# Altium PCB WL_RFFC.PcbDoc (part 1 of 3)
Units mm, origin at the board's own origin, x right, y up, seen from the top; angles counter-clockwise.
Board outline 175.23 x 130 mm, 2 copper layers (Top Layer, Bottom Layer), stack 1.57 mm thick; 373 components, 223 nets, 1150 pads, 1060 vias.
Unrouted connection lines stored in the file: 1.
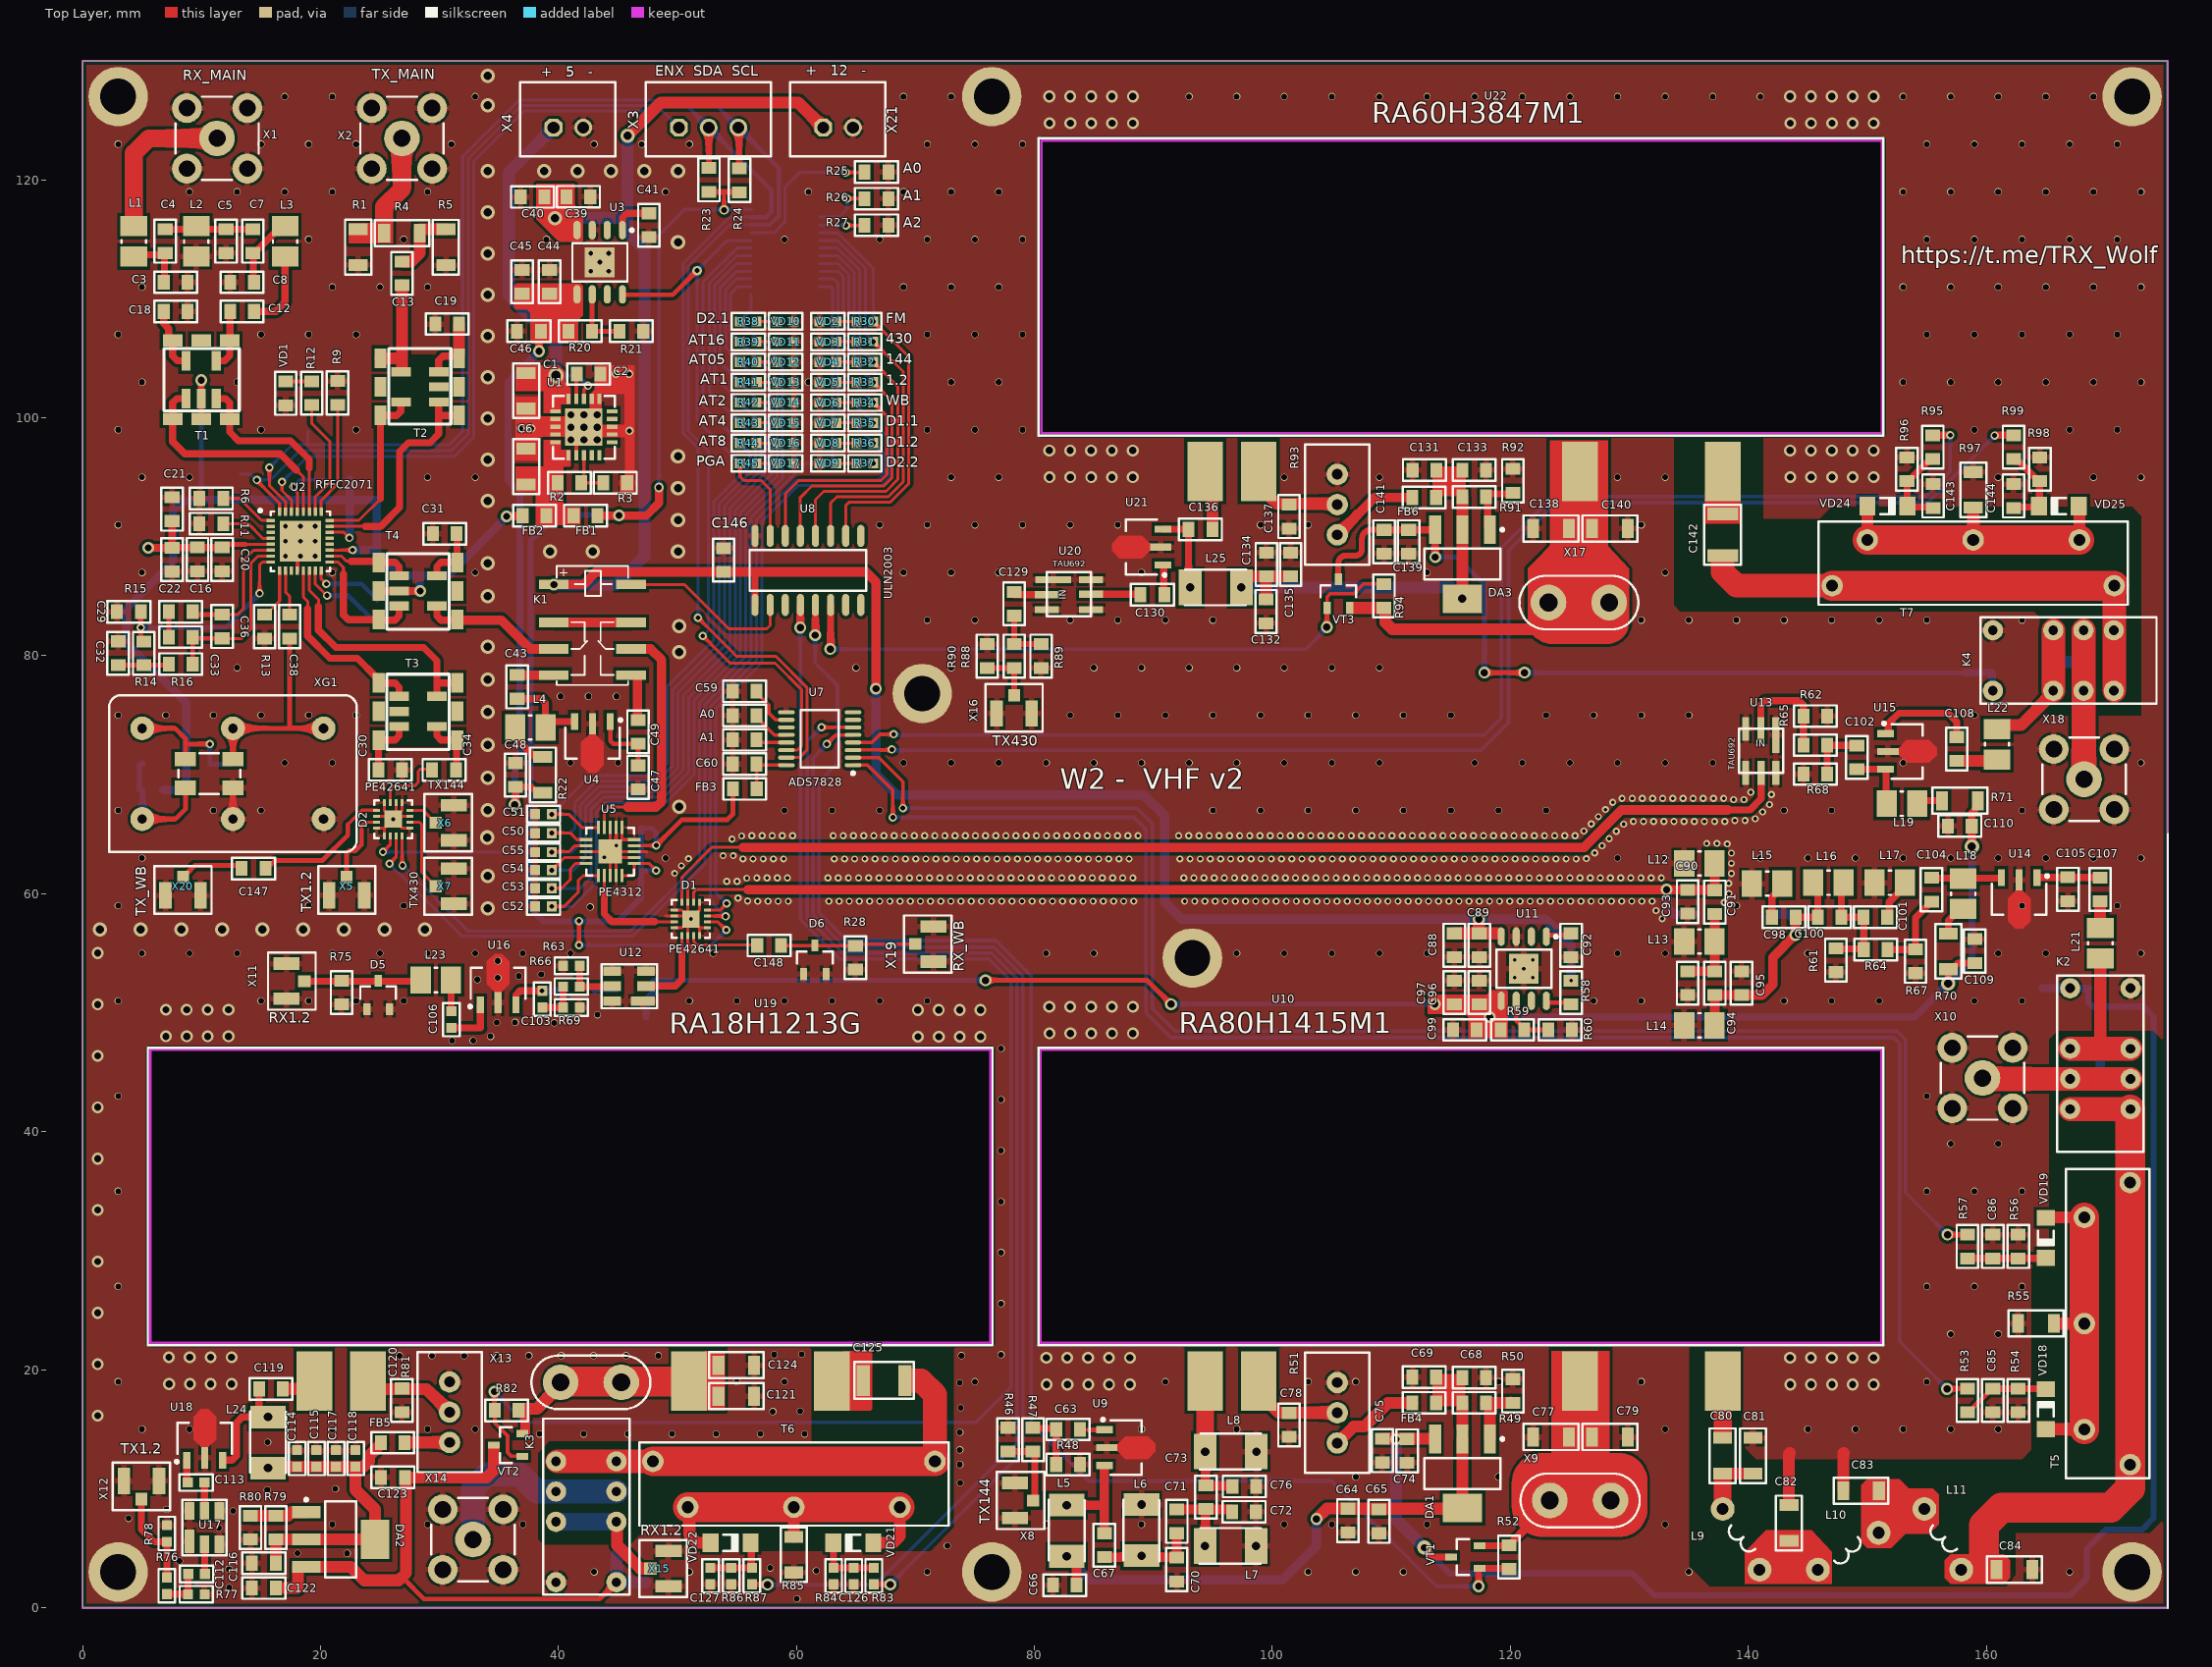
[diagram p0: Top Layer view]
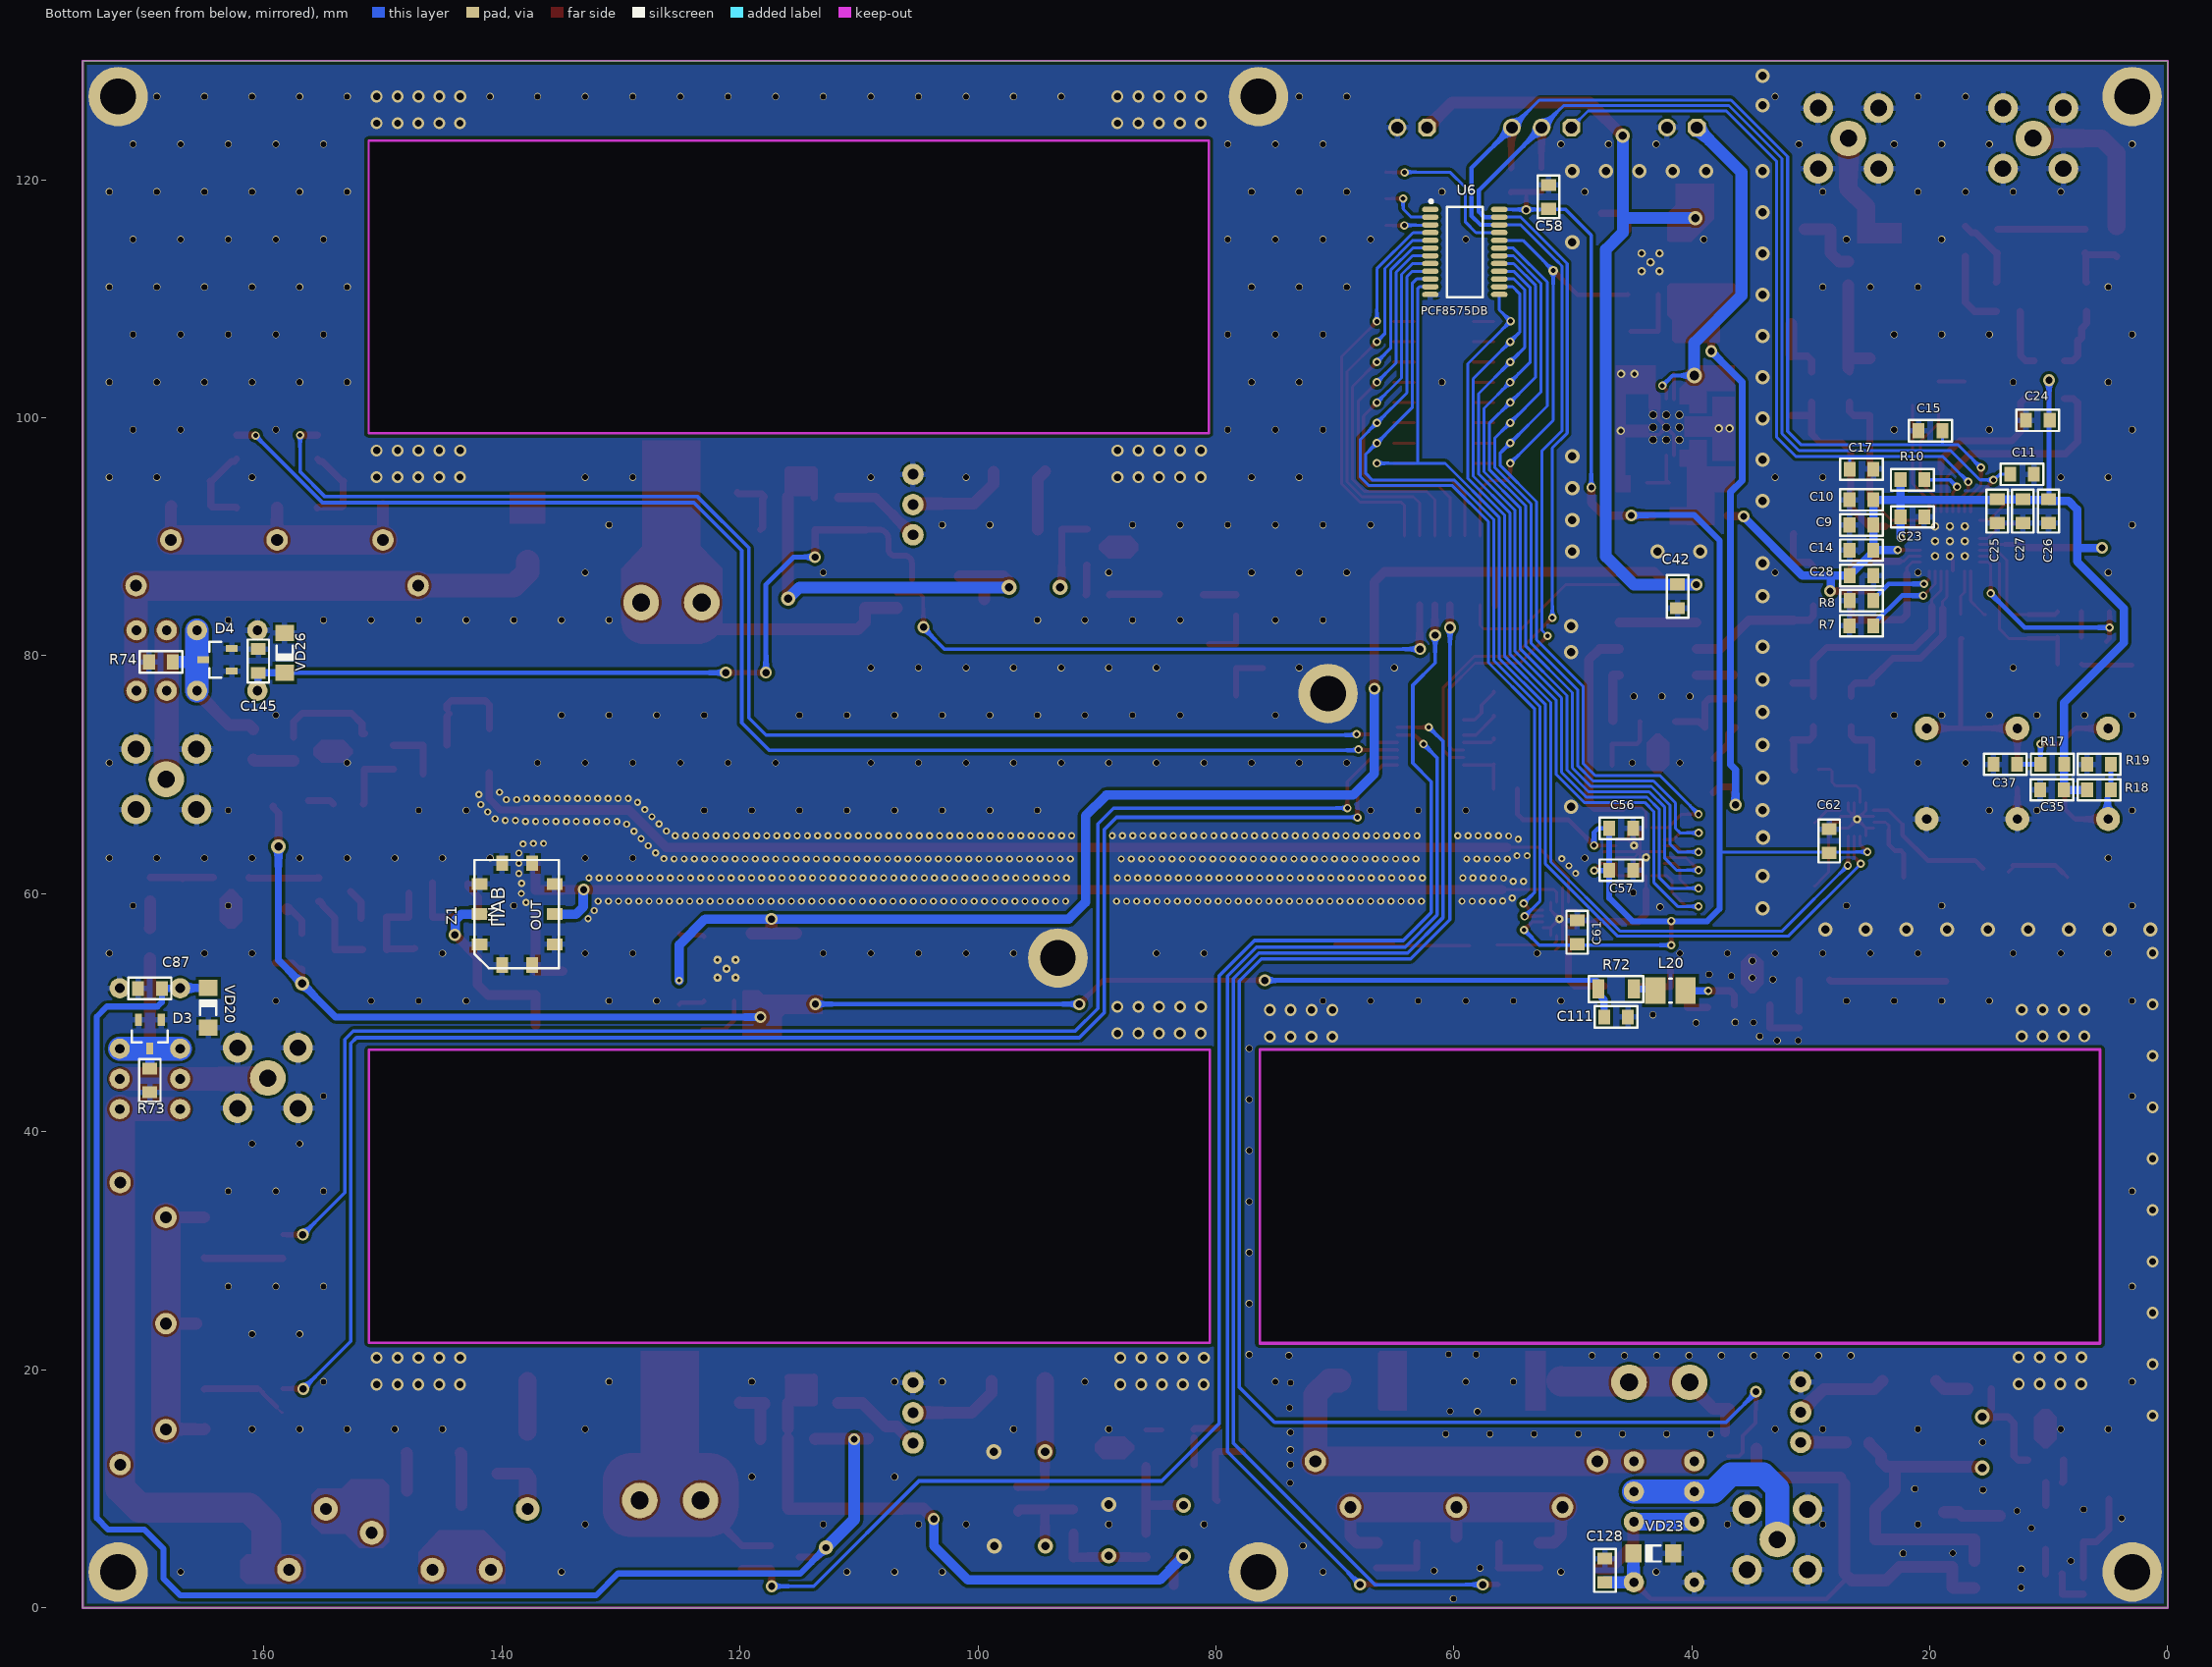
[diagram p1: Bottom Layer view, seen from below]
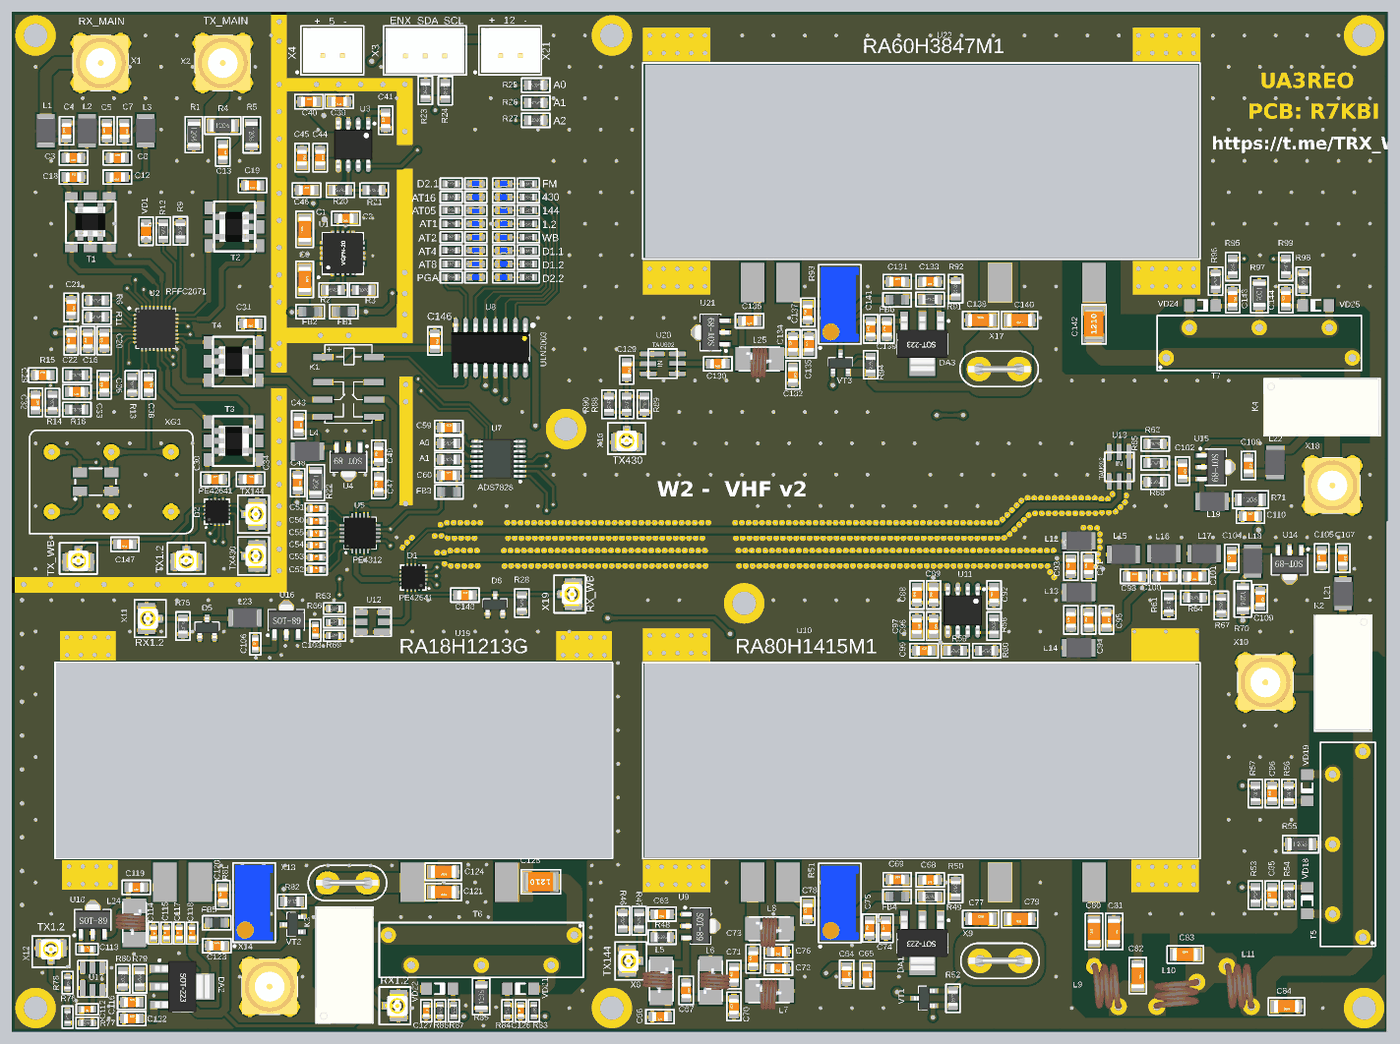
[diagram p4: 3D render of the assembled board from above, using the file's embedded part models]
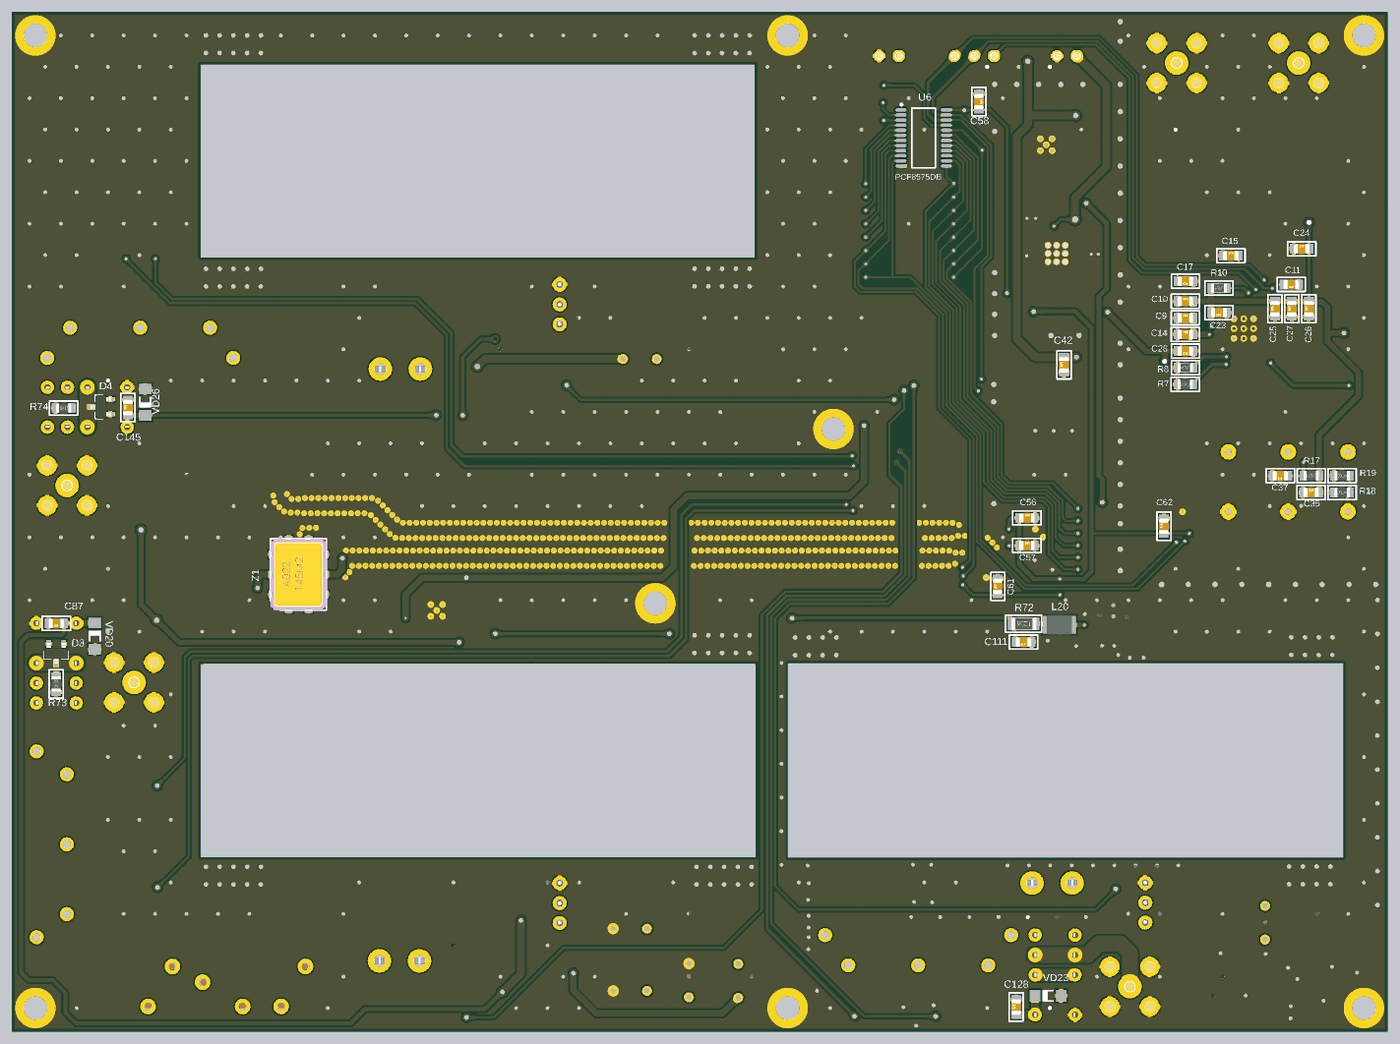
[diagram p5: 3D render of the assembled board from below, using the file's embedded part models]

## Layer stack, top to bottom
Top Solder: solder mask 0.0102, Solder Resist, Dk 3.5
Top Layer: signal copper 0.035
Dielectric 1: dielectric 1.5, FR-4, Dk 4.8
Bottom Layer: signal copper 0.035
Bottom Solder: solder mask 0.0102, Solder Resist, Dk 3.5

## Board outline
0,0 0,130 175.225,130 175.225,0
cut-out: 5.7,22.15 cw(c5.7,22.25) 5.603,22.275 5.6,22.3 5.6,46.875 cw(c5.7,46.875) 5.7,46.975 76.3,46.975 cw(c76.3,46.875) 76.4,46.875 76.4,22.25 cw(c76.3,22.25) 76.3,22.15
cut-out: 80.6,98.7 151.2,98.7 151.2,123.3 80.6,123.3
cut-out: 80.5,22.25 151.175,22.25 151.175,46.875 80.5,46.875

## Design rules (kind name [scope] priority, off if disabled: settings)
BoardOutlineClearance [All] p1: gap=0.3 ignorepadtopadclearanceinfootprint=FALSE
Clearance Clearance_NPTH [All vs InPadClass('NPTH')] p1: gap=0.4 ignorepadtopadclearanceinfootprint=FALSE except(0: Arc-Hole Track-Hole SMDPad-Hole THPad-Hole Via-Hole Fill-Hole Poly-Hole Region-Hole Text-Hole)
Clearance Clearance_MultiLayerPad [OnLayer('Multi-Layer') and IsPad] p2: gap=0.2 ignorepadtopadclearanceinfootprint=FALSE
Clearance Clearance_Polygon [InPolygon] p3: gap=0.25 ignorepadtopadclearanceinfootprint=FALSE
Clearance [All] p4: gap=0.2 ignorepadtopadclearanceinfootprint=FALSE except(0: Arc-Hole Track-Hole SMDPad-Hole THPad-Hole Via-Hole Fill-Hole Poly-Hole Region-Hole Text-Hole; 0.15: SMDPad-SMDPad SMDPad-THPad SMDPad-Via SMDPad-Fill SMDPad-Poly SMDPad-Region SMDPad-Text)
ComponentClearance [All] p1: gap=0.25 collisioncheckmode=3 verticalgap=0.25 showdistances=FALSE donotcheckwithout3dbody=TRUE
DiffPairsRouting [All] p1: maxlimit=0.4 minlimit=0.2 mostfreqgap=0.3 toplayer_minwidth=0.2 toplayer_maxwidth=0.4 toplayer_prefwidth=0.3 bottomlayer_minwidth=0.2 bottomlayer_maxwidth=0.4 bottomlayer_prefwidth=0.3 maxuncoupledlength=12.7
Height [All] p1: minheight=0 maxheight=60 prefheight=12.7
HoleSize [All] p1: absolutevalues=TRUE maxlimit=5 minlimit=0.025 maxpercent=80.000 minpercent=20.000
HoleToHoleClearance [All] p1: gap=0.2 allowstackedmicrovias=TRUE
MinimumSolderMaskSliver [All] p1: minsoldermaskwidth=0.05
NetAntennae [All] p1: netantennaetolerance=1
PlaneClearance [All] p1: clearance=0.5
PlaneConnect [All] p1: planeconnectstyle=Relief reliefexpansion=0.5 reliefentries=4 reliefconductorwidth=0.3 reliefairgap=0.2
PolygonConnect PolygonConnect_PowerPAD [All vs InPadClass('PowerPAD')] p1: connectstyle=Relief reliefconductorwidth=1 reliefentries=4 polygonreliefangle="90 Angle" airgapwidth=0.3
PolygonConnect PolygonConnect_PadGND [InNet('GND') and IsPad] p2: connectstyle=Relief reliefconductorwidth=0.5 reliefentries=4 polygonreliefangle="90 Angle" airgapwidth=0.2
PolygonConnect PolygonConnect_Via [IsVia] p3: connectstyle=Direct reliefconductorwidth=0.254 reliefentries=4 polygonreliefangle="90 Angle" airgapwidth=0.254
PolygonConnect [All] p4: connectstyle=Relief reliefconductorwidth=0.6 reliefentries=4 polygonreliefangle="90 Angle" airgapwidth=0.3
RoutingVias [All] p1: holewidth=0.4 width=0.7 viastyle="Through Hole" minholewidth=0.3 minwidth=0.6 maxholewidth=4 maxwidth=6
SilkToSilkClearance [All] p1: silktosilkclearance=0
SilkToSolderMaskClearance [IsPad] p1: minsilkscreentomaskgap=0.05 clearancetoexposedcopper=TRUE
SolderMaskExpansion [All] p1: expansion=0.075 istentingtop=FALSE
Width [All] p1: maxlimit=10 minlimit=0.15 preferedwidth=0.2
19 further rules are at their usual default settings.

## Classes and differential pairs
component class U_WL_1.2G: C112 C113 C114 C115 C116 C117 C118 C119 C120 C121 C122 C123 C124 C125 C126 C127 C128 DA2 FB5 K3 L24 R76 R77 R78 R79 R80 R81 R82 R83 R84 R85 R86 R87 T6 U17 U18 U19 VD21 VD22 VD23 VT2 X12 X13 X14 X15
component class U_WL_430: C129 C130 C131 C132 C133 C134 C135 C136 C137 C138 C139 C140 C141 C142 C143 C144 C145 DA3 FB6 K4 L25 R88 R89 R90 R91 R92 R93 R94 R95 R96 R97 R98 R99 T7 U20 U21 U22 VD24 VD25 VD26 VT3 X16 X17 X18
component class WL_BPF: C88 C89 C90 C91 C92 C93 C94 C95 C96 C97 C98 C99 C100 C101 C102 C103 C104 C105 C106 C107 C108 C109 C110 C111 D3 D4 D5 L12 L13 L14 L15 L16 L17 L18 L19 L20 L21 L22 L23 R58 R59 R60 R61 R62 R63 R64 R65 R66 R67 R68 R69 R70 R71 R72 R73 R74 R75 U11 U12 U13 U14 U15 U16 X11 Z1
component class WL_144: C63 C64 C65 C66 C67 C68 C69 C70 C71 C72 C73 C74 C75 C76 C77 C78 C79 C80 C81 C82 C83 C84 C85 C86 C87 DA1 FB4 K2 L5 L6 L7 L8 L9 L10 L11 R46 R47 R48 R49 R50 R51 R52 R53 R54 R55 R56 R57 T5 U9 U10 VD18 VD19 VD20 VT1 X8 X9 X10
component class WL_RF_SWITCH: C61 C62 C147 C148 D1 D2 D6 R28 X5 X6 X7 X19 X20
component class WL_PGA_ATT: C39 C40 C41 C42 C43 C44 C45 C46 C47 C48 C49 C50 C51 C52 C53 C54 C55 C56 C57 K1 L4 R20 R21 R22 U3 U4 U5
component class WL_CON: A0 A1 C58 C59 C60 C146 FB3 R23 R24 R25 R26 R27 R30 R31 R32 R33 R34 R35 R36 R37 R38 R39 R40 R41 R42 R43 R44 R45 U6 U7 U8 VD2 VD3 VD4 VD5 VD6 VD7 VD8 VD9 VD10 VD11 VD12 VD13 VD14 VD15 VD16 VD17 X3 X4 X21
component class WL_RFFC: C1 C2 C3 C4 C5 C6 C7 C8 C9 C10 C11 C12 C13 C14 C15 C16 C17 C18 C19 C20 C21 C22 C23 C24 C25 C26 C27 C28 C29 C30 C31 C32 C33 C34 C35 C36 C37 C38 FB1 FB2 L1 L2 L3 R1 R2 R3 R4 R5 R6 R7 R8 R9 R10 R11 R12 R13 R14 R15 R16 R17 R18 R19 T1 T2 T3 T4 U1 U2 VD1 X1 X2 XG1

## Components (designator, comment, footprint, x,y, rotation, side; value= is the part's Value field where it differs from the comment)
A0 "NOE" CH0805R 55.638,74.98 r0 top
A1 "NOE" CH0805R 55.638,72.94 r0 top
C1 "10mF" CH1206C 37.286,102.276 r90 top
C2 "1mF" CH0805C 42.532,103.676 r180 top
C3 "33p" CH0805C 7.826,111.397 r180 top
C4 "20p" CH0805C 6.954,114.847 r90 top
C5 "27p" CH0805C 12.072,114.847 r90 top
C6 "47mF" CH1206C 37.286,95.899 r270 top
C7 "20p" CH0805C 14.313,114.847 r270 top
C8 "33p" CH0805C 13.413,111.397 r0 top
C9 "100n" CH0805C 25.748,90.996 r180 bottom
C10 "1n" CH0805C 25.748,93.114 r180 bottom
C11 "33pF" CH0805C 12.249,95.257 r0 bottom
C12 "100pF" CH0805C 13.413,108.939 r180 top
C13 "100pF" CH0805C 26.85,112.141 r270 top
C14 "10pF" CH0805C 25.748,88.878 r180 bottom
C15 "33pF" CH0805C 19.948,98.911 r180 bottom
C16 "100n" CH0805C 9.659,88.102 r90 top
C17 "33pF" CH0805C 25.738,95.682 r0 bottom
C18 "100pF" CH0805C 7.826,108.939 r0 top
C19 "100pF" CH0805C 30.649,107.885 r180 top
C20 "1n" CH0805C 11.736,88.103 r90 top
C21 "100pF" CH0805C 7.524,92.323 r270 top
C22 "10pF" CH0805C 7.524,88.08 r90 top
C23 "100n" CH0805C 21.464,91.675 r0 bottom
C24 "100pF" CH0805C 10.921,99.792 r180 bottom
C25 "1n" CH0805C 14.338,92.158 r90 bottom
C26 "100pF" CH0805C 10.021,92.158 r90 bottom
C27 "10pF" CH0805C 12.18,92.158 r90 bottom
C28 "100pF" CH0805C 25.738,86.751 r0 bottom
C29 "330pF" CH0805C 3.898,83.7 r0 top
C30 "100pF" CH0805C 25.863,70.413 r0 top
C31 "100pF" CH0805C 30.449,90.26 r180 top
C32 "330pF" CH0805C 2.998,80.217 r270 top
C33 "180pF" CH0805C 8.258,81.573 r180 top
C34 "100pF" CH0805C 30.387,70.413 r0 top
C35 "10n" CH0805C 9.724,68.735 r180 bottom
C36 "8p2" CH0805C 11.736,82.461 r90 top
C37 "10n" CH0805C 13.651,70.879 r0 bottom
C38 "1n" CH0805C 17.41,82.454 r270 top
C39 "100n" CH0805C 41.681,118.58 r180 top
C40 "4.7uF" CH0805C 37.817,118.567 r0 top
C41 "10n" CH0805C 47.6,116.191 r90 top
C42 "100n" CH0805C 41.2,85 r90 bottom
C43 "68p" CH0805C 36.531,77.388 r270 top
C44 "10uF" CH0805C 39.258,111.426 r270 top
C45 "100n" CH0805C 36.937,111.426 r270 top
C46 "100p" CH0805C 37.521,107.281 r0 top
C47 "3p" CH0805C 46.694,69.781 r90 top
C48 "4.7n" CH0805C 36.388,69.986 r270 top
C49 "68p" CH0805C 46.694,73.601 r90 top
C50 "33p" CH0603C 38.739,65.085 r0 top
C51 "33p" CH0603C 38.739,66.688 r0 top
C52 "33p" CH0603C 38.739,58.933 r0 top
C53 "33p" CH0603C 38.739,60.456 r0 top
C54 "33p" CH0603C 38.739,61.98 r0 top
C55 "33p" CH0603C 38.739,63.503 r0 top
C56 "100p" CH0805C 45.935,65.5 r180 bottom
C57 "0.1" CH0805C 45.935,61.98 r180 bottom
C58 "100n" CH0805C 52.042,118.567 r270 bottom
C59 "100n" CH0805C 55.638,77.02 r0 top
C60 "100n" CH0805C 55.638,70.899 r0 top
C61 "100n" CH0805C 49.638,56.761 r90 bottom
C62 "100n" CH0805C 28.459,64.433 r90 bottom
C63 "330p" CH0805C 82.827,14.984 r180 top
C64 "1n" CH0805C 106.346,7.317 r270 top
C65 "2.2uF" CH0805C 108.95,7.252 r270 top
C66 "100p" CH0805C 82.547,1.89 r180 top
C67 "330p" CH0805C 85.879,5.251 r270 top
C68 "1mF" CH0805C 116.963,19.337 r180 top
C69 "0.1" CH0805C 112.765,19.38 r0 top
C70 "82p" CH0805C 91.961,3.202 r90 top
C71 "20pF" CH0805C 91.965,7.252 r90 top